# KiCad board Original.kicad_pcb (continued)
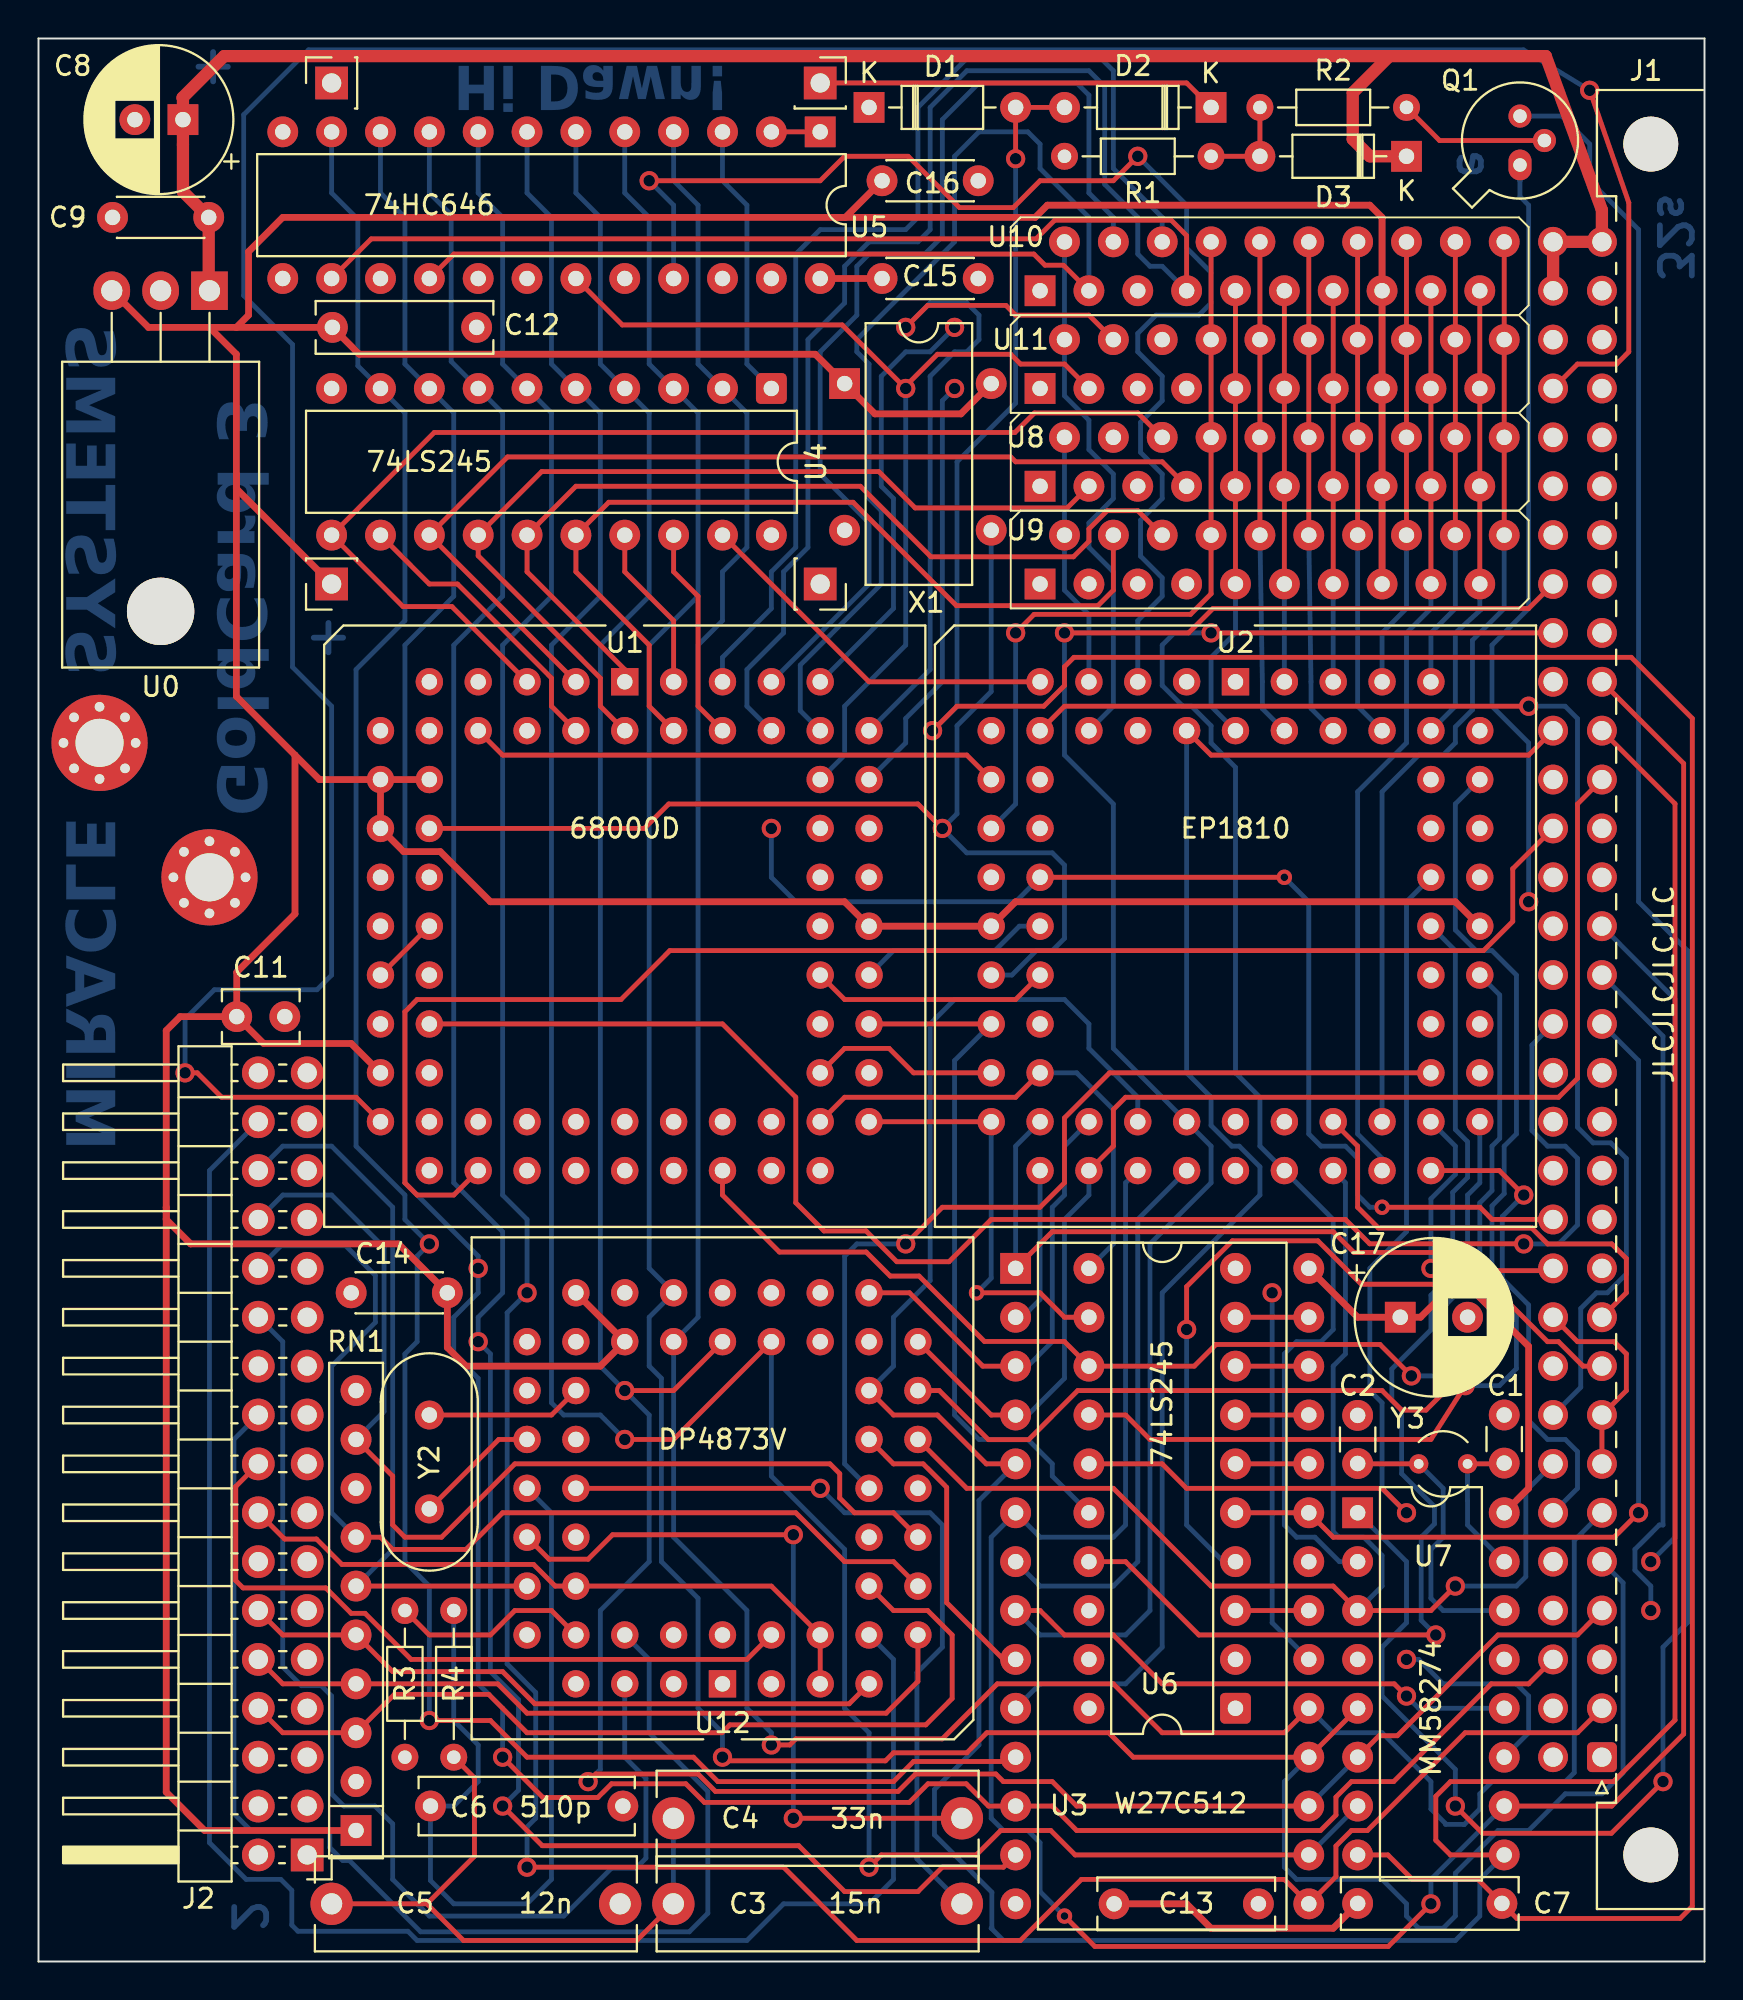
[diagram p0: board, top side]
## Nets (continued)

## Via types
v1: diameter 1, hole 0.6, Top to Bottom, 54 vias
v2: diameter 0.8, hole 0.4, Top to Bottom, 4 vias

## Routing (per net, layer and track width the routed paths; a pad name or vN(x,y) marks a point on that pad's centre or on a via; arc(x,y) is an arc through that point)
+5V: length 519.5
  Top w0.35: U5.24 C15.1 ; 10.29,77.29 10.29,83.52 8.89,84.91 ; 10.29,77.29 10.29,65.74 13.34,62.69 ; 10.29,77.29 10.29,76.53 J4.1 ; 10.29,84.91 8.89,84.91 ; 10.29,84.91 C12.1 16.68,83.52 40.39,83.52 X1.1 43.48,80.42 47.96,80.42 X1.8 ; 10.29,84.91 10.92,85.55 10.92,88.85 12.7,90.63 41.4,90.63 ; 8.89,84.91 5.72,84.91 U0.3 ; 41.4,90.63 41.95,90.63 C16.1 ; 41.4,90.63 51.82,90.63 52.45,91.26 69.22,91.26 69.85,90.63 U10.15 U11.15 U8.15 U9.15 ; U12.33 U12.32 29.21,30.94 22.22,30.94 21.26,31.91 C14.1 18.72,37.29 7.91,37.29 6.64,38.56 6.64,39.19 ; 68.58,3 67.31,1.73 60.96,1.73 59.69,3 C13.1 ; U7.16 77.47,24.59 77.47,31.96 74.78,34.65 73.03,34.65 71.85,33.48 C17.1 68.58,33.48 U3.28 ; U1.24 16.26,47.7 11.7,47.7 C11.1 ; U1.13 U1.12 ; U1.12 14.6,61.42 13.34,62.69 ; U1.12 U1.14 18.99,57.67 20.89,57.67 23.49,55.07 41.91,55.07 U1.52 U2.18 50.8,55.07 73.66,55.07 U2.52 ; 6.64,39.19 6.64,8.8 8.64,6.81 RN1.1 ; 6.64,39.19 6.64,48.37 7.37,49.1 C11.1 ; 13.34,62.69 13.34,54.43 10.31,51.4 C11.1
  In1.Cu w0.35: U6.20 53.34,14.43 50.8,14.43 ; 36.19,1.09 54.02,1.09 C13.1 ; 36.19,1.09 36.4,1.09 48.36,13.05 ; 36.19,1.09 23.92,1.09 18.21,6.81 RN1.1 ; X1.1 41.91,79.59 38.1,75.78 U4.20 ; 49.53,24.59 62.87,24.59 64.13,25.86 64.13,31.45 64.89,32.21 67.94,32.21 69.22,33.48 C17.1 ; 49.53,24.59 U12.14 U12.13 ; 49.53,24.59 48.36,23.42 48.36,13.05 ; 48.36,13.05 49.74,14.43 50.8,14.43 ; 50.8,14.43 49.74,14.43
  In2.Cu w0.35: C15.1 C16.1
+9V: length 107.1
  Top w0.25: 7.51,94.4 7.51,94.4 C8.1
  Top w0.635: J1.b31 J1.b32 J1.a32 81.28,91.01 78.36,99.01 70.23,99.01 ; 70.23,99.01 68.33,97.1 68.33,94.69 69.22,93.8 D3.1 ; 70.23,99.01 9.65,99.01 7.49,96.85 7.51,96.83 7.51,91.97 C9.1 8.85,86.86
GND: length 108.4
  Top w0.25: J1.a7 J1.a8 82.55,29.67 82.55,31.57 81.91,32.21 80.01,32.21 J1.b10
  In2.Cu w0.25: 63.5,45.8 63.5,42.37 U2.35 60.96,42.37 60.96,45.67 ; R1.1 57.15,89.99 U10.5 U11.5 U8.5 U9.5 ; 60.96,61.93 60.96,65.23 U2.1 63.5,65.23 63.5,61.93 ; 83.31,52.65 36.07,52.65 ; 34.29,39.7 34.29,45.67
/16MHZ: length 59.8
  Top w0.25: U1.15 31.5,58.88 32.77,60.15 45.72,60.15 v1(46.99,58.88)
  Bottom w0.25: X1.5 49.53,65.99 47.75,64.21 47.75,59.64 v1(46.99,58.88) 48.26,57.61 52.71,57.61 53.34,56.97 53.34,53.16 52.71,52.53 51.88,52.53 50.6,51.26 U2.20
/A0: length 80.6
  Top w0.25: U2.4 60.96,62.69 77.47,62.69 J1.b22
  Bottom w0.25: U3.10 52.07,14.43 56.52,14.43 58.42,16.33 58.42,34.75 63.5,39.83 63.5,41.29 62.43,42.37 62.03,42.37 60.96,43.44 60.96,44.91 59.69,46.18 U2.4
/A1: length 119.4
  Top w0.25: U12.17 44.45,25.86 46,25.86 47.22,24.64 47.22,18.65 50.8,15.06 ; v1(60.96,69.04) J1.b24
  In1.Cu w0.25: U7.2 67.31,22.05 50.16,22.05 49.62,21.5 49.62,16.24 50.8,15.06
  Bottom w0.25: U7.2 67.63,20.78 66.36,22.05 65.41,22.05 64.77,22.68 64.77,31.57 65.41,32.21 66.68,32.21 67.31,32.84 67.31,38.56 U2.37 63.5,42.37 63.5,44.91 62.23,46.18 62.23,62.05 60.96,63.32 60.96,64.21 59.94,65.23 59.5,65.23 58.42,66.3 58.42,68.4 59.06,69.04 v1(60.96,69.04)
/A2: length 117.3
  Top w0.25: v1(71.12,13.79) 70.49,14.43 58.42,14.43 55.88,16.97 53.34,16.97 52.07,18.24 U3.8 ; J1.b25 77.47,70.31 61.06,70.31 59.79,69.04 v1(53.34,69.04)
  Bottom w0.25: U7.12 71.75,13.16 v1(71.12,13.79) ; v1(53.34,69.04) 53.34,62.69 55.88,60.15 55.88,47.45 U2.34 60.96,42.37 60.96,40.46 57.78,37.29 57.78,18.24 56.52,16.97 52.07,16.97 U3.8
/A3: length 131.8
  In1.Cu w0.25: J1.a24 85.09,65.23 85.09,11.89 81.91,8.71 78.1,8.71 U7.11 ; v1(71.12,15.7) 69.85,16.97 58.97,16.97 56.43,19.51 53.34,19.51 52.07,20.78 U3.7
  Bottom w0.25: v1(71.12,15.7) 71.75,15.7 73.03,14.43 76.84,14.43 77.47,13.79 77.47,11.89 U7.11 ; U2.33 57.15,38.56 57.15,20.78 55.88,19.51 52.07,19.51 U3.7
/A4: length 143.6
  Top w0.25: v1(72.39,3) 70.17,0.78 54.92,0.78 v2(53.34,2.36) ; U7.10 81.79,8.08 85.53,11.82 85.53,62.25 J1.a23
  Bottom w0.25: U2.31 56.52,40.46 56.52,22.68 55.88,22.05 52.07,22.05 U3.6 49.53,22.05 49.53,7.44 50.16,6.81 51.44,6.81 52.07,6.17 52.07,3.63 v2(53.34,2.36) ; v1(72.39,3) 72.39,4.27 U7.10
/A5: length 175.2
  Top w0.25: U7.9 73.41,5.54 72.64,6.3 72.64,8.59 73.41,9.35 81.88,9.35 85.08,12.55 85.08,60.16 J1.a22 ; U3.5 49.28,25.86 46.74,28.4 44.45,28.4 U12.19
  Bottom w0.25: U12.19 44.45,30.94 44.45,33.48 46.35,35.38 46.35,48.72 47.62,49.99 53.34,49.99 54.61,48.72 54.61,47.45 57.15,44.91 U2.32 ; U3.5 48.9,23.95 48.9,11.25 46.58,8.94 46.58,6.58 49.56,3.6 49.56,1.76 49.53,1.73 50.16,1.09 73.66,1.09 74.93,2.36 74.93,4.27 U7.9
/A6: length 66.1
  Top w0.25: U12.20 49.53,28.4 U3.4 ; J1.a21 80.01,60.15 80.01,45.89 79.03,44.91 56.52,44.91 55.88,44.27 55.88,42.37 U2.29
  Bottom w0.25: U2.29 54.61,39.83 53.34,38.56 53.34,30.3 50.8,27.76
/A7: length 81.1
  Top w0.25: U3.3 49.09,30.94 45.28,34.75 U12.21
  In1.Cu w0.25: J1.a20 80.01,57.61 80.01,50.62 79.38,49.99 78.1,49.99 76.84,48.72 76.84,42.37 72.48,38.01 49.62,38.01 48.03,36.42 48.03,33.71 U3.3
  Bottom w0.25: 50.8,30.3 52.71,32.21 52.71,39.19 53.34,39.83 53.34,42.37 U2.30
/A8: length 51.3
  Top w0.25: U6.7 U3.25
  In1.Cu w0.25: J1.a19 83.82,53.8 83.82,29.03 81.91,27.13 67.31,27.13 U3.25
/A9: length 58.8
  Top w0.25: U6.6 U3.24
  In1.Cu w0.25: v1(83.82,20.78) 82.55,22.05 74.94,22.05 72.39,24.6 67.3,24.6 U3.24
  Bottom w0.25: v1(83.82,20.78) 85.09,22.05 85.09,49.99 J1.a18
/A10: length 59.4
  Top w0.25: U6.3 U3.21
  In1.Cu w0.25: 66.04,17.6 68.02,19.58 69.29,19.58 70.49,20.78 74.29,20.78 75.56,19.51 82.55,19.51 v1(83.82,18.24)
  Bottom w0.25: v1(83.82,18.24) 83.82,19.51 83,20.33 83,21.41 84.27,22.68 84.46,22.68 84.46,48.08 J1.a17
/A11: length 48.2
  Top w0.25: U6.5 U3.23 67.31,22.05 81.91,22.05 v1(83.19,23.32)
  Bottom w0.25: J1.a16 83.19,46.81 v1(83.19,23.32)
/A12: length 45.7
  In1.Cu w0.25: U3.2 52.07,34.75 56.59,34.75 59.13,37.29 73.03,37.29 77.47,41.73 77.47,44.25 78.1,44.88 79.98,44.88 J1.a15
  Bottom w0.25: 50.8,33.13 52.07,34.4 U2.27
/A13: length 35.2
  Top w0.25: U6.8 U3.26
  In1.Cu w0.25: U3.26 68.58,30.94 70.87,28.65 74.42,28.65 77.98,32.21 82.55,32.21 83.19,32.84 83.19,41.73 J1.a14
/A14: length 24.8
  Top w0.25: U6.9 U3.27
  In1.Cu w0.25: U3.27 68.11,33.48 69.38,34.75 79.38,34.75 80.01,35.38 80.01,39.83 J1.a13
/A15: length 38.2
  Top w0.25: 78.62,35.9 73.97,35.9 73.03,36.84 68.39,36.84 67.31,37.92 52.71,37.92 U3.1
  Bottom w0.25: 50.8,35.38 50.8,42.37 U2.28
/A16: length 23.6
  Top w0.25: U2.40 68.58,42.37 68.58,39.19 69.66,38.11 77.63,38.11 78.45,37.29 81.79,37.29 82.55,36.53 82.55,34.75 J1.a10
/A17: length 41.3
  Top w0.25: v1(59.69,32.84) 59.69,35.07 62.07,37.45 66.51,37.45 68.77,35.19 75.47,35.19 78.45,32.21 79.03,32.21 80.3,30.94 J1.a9
  Bottom w0.25: v1(59.69,32.84) 59.69,22.68 62.23,20.14
/AG1: length 42.5
  In1.Cu w0.25: U2.36 60.96,42.37 60.96,40.46 60.09,39.59 43.18,39.59 42.7,39.11 33.02,39.11 31.75,40.38 31.75,41.73 31.12,42.37 26.67,42.37 U1.32
/AG2: length 56.6
  In1.Cu w0.25: U2.48 73.66,47.45 70.49,47.45 68.58,45.54 68.58,40.46 66.81,38.69 44.2,38.69 43.71,38.21 28.92,38.21 27.94,39.19 U1.33
/AG3: length 32.8
  In1.Cu w0.25: U2.15 50.8,57.61 48.07,57.61 45.53,55.07 35.31,55.07 27.94,47.7 U1.34
/AG4: length 51.2
  In1.Cu w0.25: U1.35 30.48,39.83 31.65,38.66 43.21,38.66 43.69,39.14 64.72,39.14 66.04,40.46 66.04,46.18 68.58,48.72 U2.49
/AG5: length 26.1
  In1.Cu w0.25: U1.36 30.48,46.69 36.32,52.53 44.45,52.53 48.26,56.34 U2.16
/AG6: length 47.1
  In1.Cu w0.25: U2.51 65.41,51.26 58.42,44.27 58.42,40.46 58,40.05 42.65,40.05 42.16,39.56 34.55,39.56 U1.37
/AG7: length 46.7
  In1.Cu w0.25: U1.38 39.37,49.99 43.81,49.99 48.9,55.07 55.02,55.07 61.37,61.42 72.39,61.42
/AG8: length 67
  Top w0.25: U1.39 35.56,39.83 38.52,36.87 43.03,36.87 44.28,35.62 45.78,35.62 49.18,32.22 53.33,32.22 U6.13 60.09,30.94 61.21,32.06 69.74,32.06 v1(71.37,30.43)
  Bottom w0.25: U2.50 75.97,50.22 75.97,42.77 75.56,42.37 75.56,40.06 74.93,39.42 74.93,34.43 75.56,33.8 75.56,32.21 74.49,31.13 73.6,31.13 72.9,30.43 v1(71.37,30.43)
/AG9: length 110.2
  Top w0.25: v1(74.17,29.92) 72.39,27.13 57.78,27.13 56.52,28.4 U6.14
  In1.Cu w0.25: U1.40 36.83,42.37 43.69,42.37 48.77,47.45 53.34,47.45 63.5,57.61 75.69,57.61 76.2,58.12 76.2,60.15 U2.58
  Bottom w0.25: v1(74.17,29.92) 75.95,29.92 76.83,30.81 76.83,33.48 75.56,34.75 75.56,34.75 75.56,39.27 76.2,39.9 76.2,42.37 76.84,43 76.84,51.26 75.56,52.53 74.74,52.53 73.66,53.6 73.66,60.15 U2.58
/AG10: length 101.6
  Top w0.25: v1(72.64,16.97) 60.32,16.97 56.52,20.78 U6.17
  In1.Cu w0.25: U2.53 62.87,53.8 53.34,44.27 53.34,43 52.71,42.37 51.44,42.37 49.67,40.6 42.15,40.6 41.57,40.02 39.18,40.02 U1.41
  Bottom w0.25: U2.53 73.66,52.53 73.66,43.23 74.29,42.6 74.29,40.74 73.52,39.97 73.52,35.75 72.39,34.62 72.39,32.82 70.36,30.79 70.36,29.16 70.87,28.65 70.87,25.35 72.57,23.64 72.57,22.74 71.88,22.05 71.88,17.73 v1(72.64,16.97)
/AG11: length 82
  Top w0.25: U6.15 58.42,25.86 59.69,24.59 69.85,24.59 v1(71.12,23.32)
  In2.Cu w0.25: U6.15 52.83,27.64 52.83,36.91 47.37,42.37 39.37,42.37 U1.42
  Bottom w0.25: v1(71.12,23.32) 69.85,24.59 69.85,29.03 69.22,29.67 69.22,36.02 71.12,37.92 71.12,55.07 U2.55
/AG12: length 40.6
  In1.Cu w0.25: U1.43 44.96,41.1 48.77,44.91 52.27,44.91 62.43,55.07 73.66,55.07 U2.54
/AG13: length 21.9
  Top w0.25: U6.12 53.34,33.48 52.07,34.75 v2(48.77,34.75) ; U1.44 U2.26
  Bottom w0.25: U2.26 49.53,35.51 v2(48.77,34.75)
/AG14: length 25.9
  Top w0.25: U1.45 41.91,44.91 50.8,44.91 U2.25
  Bottom w0.25: U2.25 53.97,46.18 55.88,44.27 55.88,37.29 U6.11
/AG15: length 38.6
  In1.Cu w0.25: U1.46 44.75,47.75 44.75,48.67 48.38,52.3 53.75,52.3 61.59,60.15 73.66,60.15 U2.56
/AG16: length 9.9
  Top w0.25: U1.47 41.91,47.45 44.22,47.45 45.49,46.18 U2.24
/AG17: length 36.9
  Top w0.25: U1.48 U2.22
  Bottom w0.25: U2.22 47.62,46.81 47.62,28.4 48.9,27.13 51.44,27.13 52.71,25.86 52.71,25.22 U6.16
/AG18: length 40.8
  In1.Cu w0.25: U2.57 62.25,58.88 53.34,49.97 48.49,49.97 44.7,46.18 44.7,45.42 44.2,44.91 42.42,44.91 41.91,45.42 41.91,47.45 U1.49
/AG19: length 9.9
  Bottom w0.25: U1.50 44.45,52.53 49.72,52.53 51,53.8 U2.19
/AG20: length 12.5
  Top w0.25: U1.51 41.91,49.99 50.8,49.99 U2.21
/CAS0: length 13.2
  Bottom w0.25: U2.7 54.61,69.99 53.34,71.26 U9.2 U8.2
/CAS1: length 28
  Bottom w0.25: U10.2 U11.2 53.34,81.36 54.61,80.09 54.61,78.56 55.88,77.29 55.88,76.02 54.61,74.75 54.61,73.48 55.88,72.21 55.88,65.23 U2.8
/CSROM: length 37.3
  In1.Cu w0.25: v1(72.39,36.02) 69.93,36.02 68.66,34.75 v1(64.13,34.75)
  Bottom w0.25: v1(72.39,36.02) 72.39,39.63 73.66,40.9 73.66,42.37 U2.45 ; v1(64.13,34.75) 64.13,17.6 U3.20
/CSRTC: length 62.4
  In1.Cu w0.25: U2.38 64.77,46.81 67.94,49.99 76.2,49.99 77.47,51.26 v1(77.47,55.07)
  Bottom w0.25: 77.02,92.53 77.02,91.71 77.47,91.26 77.47,70.31 75.56,68.4 75.56,65.23 77.47,63.32 v1(77.47,55.07) ; 77.02,92.53 Q1.1 77.02,92.53
/D0: length 177.4
  Top w0.25: 50.58,10.39 45.5,10.39 44.45,9.35 35.32,9.35 34.05,10.62 25.4,10.62 23.5,12.52 v1(20.32,12.52)
  In1.Cu w0.25: J1.b4 77.47,16.97 75.88,16.97 70.8,11.89 57.31,11.89 56.04,10.62 U3.11 ; U12.22 41.91,33.48 41.91,36.02 41.28,36.65 24.77,36.65 24.13,37.29 v1(20.32,37.29)
  Bottom w0.25: U5.11 15.24,91.9 16.6,90.53 16.6,82.91 U4.9 19.05,80.47 19.05,69.67 16.51,67.13 16.51,42.37 19.05,39.83 19.05,38.56 v1(20.32,37.29) 19.69,36.65 19.69,32.21 19.05,31.57 19.05,20.78 20.32,19.51 v1(20.32,12.52)
/D1: length 172.2
  Top w0.25: v1(24.13,10.62) 26.22,8.52 29.08,8.52 29.79,9.23 33.66,9.23 34.62,8.27 45.28,8.27 46.24,9.23 48.23,9.23 49.39,8.08 U3.12 52.71,8.08 53.97,6.81 66.65,6.81 67.45,7.61 67.45,8.54 68.26,9.35 70.45,9.35 75.53,14.43 77.47,14.43 J1.b3
  In1.Cu w0.25: U12.23 39.37,33.48 24.13,33.48 22.86,34.75 v1(22.86,36.02)
  Bottom w0.25: U5.10 17.78,91.9 19.05,90.63 19.05,83.01 U4.8 21.59,80.47 21.59,70.94 19.05,68.4 19.05,40.46 22.86,36.65 v1(22.86,36.02) 22.86,34.75 21.59,33.48 21.59,31.57 22.86,30.3 22.86,14.43 24.13,13.16 v1(24.13,10.62)
/D2: length 174.9
  Top w0.25: U3.13 50.16,4.9 46.99,4.9 45.72,3.63 41.91,3.63 39.53,6.02 26.19,6.02 v1(24.13,8.08)
  In1.Cu w0.25: U12.24 39.37,30.94 24.13,30.94 v1(22.86,32.21) ; U3.13 59.62,5.54 60.89,4.27 71.12,4.27 72.39,5.54 72.39,9.35 74.93,11.89 77.47,11.89 J1.b2
  Bottom w0.25: U5.9 20.32,91.9 21.46,90.76 21.46,83.14 U4.7 24.13,80.47 24.13,70.94 21.59,68.4 21.59,40.46 24.13,37.92 24.13,34.75 22.86,33.48 v1(22.86,32.21) 23.5,31.57 23.5,15.06 24.96,13.6 24.96,8.9 v1(24.13,8.08)
/D3: length 172.6
  Top w0.25: v1(25.4,4.9) 38.74,4.9 42.54,1.09 51.04,1.09 54.22,4.27 64.77,4.27 U3.15 67.45,4.41 67.45,6 68.26,6.81 69.09,6.81 74.17,11.89 80.01,11.89 J1.a2
  In1.Cu w0.25: U12.25 37.04,35.81 26.46,35.81 v1(25.4,34.75)
  Bottom w0.25: v1(25.4,4.9) 25.4,6.99 25.85,7.44 25.85,13.98 24.36,15.46 24.36,33.71 v1(25.4,34.75) 25.4,38.56 24.13,39.83 24.13,68.4 26.67,70.94 26.67,80.47 U4.6 24.13,83.01 24.13,90.63 22.86,91.9 U5.8
/D4: length 156
  Top w0.25: v1(30.48,27.13) 33.02,27.13 U12.26 ; U3.16 53.9,5.54 52.63,6.81 50.02,6.81 48.75,5.54 43.81,5.54 v1(43.18,4.9)
  In1.Cu w0.25: U7.7 74.93,14.43 80.01,14.43 J1.a3
  Bottom w0.25: U12.26 38.1,25.22 41.91,21.41 41.91,13.16 43.18,11.89 v1(43.18,4.9) ; U7.7 U3.16 ; U5.7 25.4,91.9 26.67,90.63 26.67,83.01 U4.5 29.21,80.47 29.21,70.94 26.67,68.4 26.67,29.03 27.31,28.4 29.21,28.4 v1(30.48,27.13)
/D5: length 155.4
  Top w0.25: U12.28 33.02,29.67 v1(30.48,29.67) ; U3.17 53.97,8.08 52.71,9.35 50.16,9.35 49.77,9.74 45.59,9.74 44.69,8.84 35.19,8.84 34.29,9.74 28.97,9.74 v1(28.57,9.35) ; J1.a4 80.01,16.97 75.88,16.97 70.64,11.73 69.69,11.73 U7.6
  Bottom w0.25: U7.6 U3.17 ; U5.6 27.94,91.9 29.21,90.63 29.21,83.01 U4.4 31.75,80.47 31.75,70.94 29.21,68.4 29.21,30.94 v1(30.48,29.67) 31.75,28.4 31.75,20.78 29.21,18.24 29.21,9.98 v1(28.57,9.35)
/D6: length 166.6
  Top w0.25: v1(35.56,10.62) 35.75,10.43 44.03,10.43 44.45,10.84 48.26,10.84 49.3,11.89 55.64,11.89 56.91,10.62 U3.18 U7.5
  Bottom w0.25: v1(35.56,10.62) 35.56,11.89 34.29,13.16 34.29,18.87 32.38,20.78 32.38,30.3 31.75,30.94 31.75,33.48 U12.29 31.75,36.02 31.75,68.4 34.29,70.94 34.29,80.47 U4.3 31.75,83.01 31.75,90.63 30.48,91.9 U5.5 ; J1.a5 82.38,19.68 82.38,9.81 81.28,8.71 79.38,8.71 77.47,6.81 75.88,6.81 73.66,4.59 73.66,2.36 73.03,1.73 71.75,1.73 71.12,2.36 71.12,3 69.85,4.27 65.41,4.27 64.77,4.9 64.77,9.35 U3.18
/D7: length 156.3
  Top w0.25: U3.19 64.77,11.89 58.42,11.89 55.88,14.43 49.85,14.43 46.99,11.57 39.37,11.57 39.05,11.25 v1(38.1,11.25)
  In1.Cu w0.25: U7.4 U3.19
  Bottom w0.25: v1(38.1,11.25) 38.1,11.89 36.83,13.16 36.83,18.24 33.02,22.05 U12.30 34.29,33.48 34.29,68.4 35.56,69.67 35.56,72.21 36.83,73.48 36.83,80.47 U4.2 34.29,83.01 34.29,91.26 33.02,92.53 U5.4 ; J1.a6 79.84,21.88 79.84,9.81 79.38,9.35 75.56,9.35 74.93,8.71 74.93,7.93 74.12,7.11 74.1,7.13 73.15,7.13 73.15,7.16 72.39,7.93 72.39,9.35 69.85,11.89 67.31,11.89 U3.19
/DG0: length 59.7
  Top w0.25: U1.5 21.49,70.4 18.95,70.4 U4.11 20.57,79.45 50.76,79.45 51.78,80.47 57.15,80.47 U8.6
/DG1: length 55.4
  Top w0.25: U1.4 26.67,65.23 26.67,66.69 21.79,71.58 20.32,71.58 U4.12
  In2.Cu w0.25: U4.12 21.59,77.93 54.61,77.93 U8.4
/DG2: length 52.5
  Top w0.25: U1.3 U4.13 24.38,78.18 50.55,78.18 50.8,77.93 58.42,77.93 U8.7
/DG3: length 47.7
  Top w0.25: U8.3 53.48,75.53 45.58,75.53 43.69,77.42 26.16,77.42 U4.14 22.86,73.04 29.21,66.69 29.21,65.23 U1.2
/DG4: length 47.2
  Top w0.25: U1.1 30.48,67.13 25.4,72.21 U4.15 27.94,76.66 42.73,76.66 46.4,72.99 53.81,72.99 54.61,73.79 54.61,74.44 55.56,75.39 57.15,75.39 U9.6
/DG5: length 46.3
  Top w0.25: U1.68 31.75,65.23 31.75,68.4 27.94,72.21 U4.16 29.65,75.83 42.35,75.83 47.72,70.45 55.08,70.45 55.88,71.25 U9.4
/DG6: length 40.2
  Top w0.25: U4.17 30.48,72.21 33.02,69.67 U1.67
  In1.Cu w0.25: U4.17 32.77,71.83 37.85,71.83 39.62,70.05 58.17,70.05 U9.7
/DG7: length 33.9
  Top w0.25: U4.18 33.02,72.21 34.29,70.94 34.29,65.23 U1.66
  In1.Cu w0.25: U4.18 34.29,72.85 53.34,72.85 U9.3
/DG8: length 94.2
  In1.Cu w0.25: U1.65 34.04,68.02 28.45,68.02 26.8,69.67 22.73,69.67 19.05,73.36 19.05,75.13 12.7,81.48 U5.13
  Bottom w0.25: U1.65 35.56,67.77 38.1,70.31 38.1,72.21 39.37,73.48 39.37,88.72 40.64,89.99 45.09,89.99 45.72,90.63 45.72,96.34 48.26,98.88 55.25,98.88 55.88,98.25 55.88,93.17 56.63,92.42 58.42,90.63 U10.6
/DG9: length 110.2
  Top w0.25: U10.7 59.69,89.68 58.89,90.48 52.83,90.48 51.86,89.51 17.3,89.51 U5.14
  Bottom w0.25: U10.7 58.42,88.09 57.78,88.09 57.15,88.72 57.15,90.63 55.43,92.35 55.43,97.43 54.61,98.25 48.26,98.25 46.35,96.34 46.35,89.99 45.72,89.36 43.18,89.36 41.91,88.09 41.91,86.18 40,84.28 40,73.48 38.74,72.21 38.74,69.04 36.83,67.13 36.83,65.23 U1.64
/DG10: length 88.5
  In1.Cu w0.25: U5.15 19.05,86.18 19.05,77.93 21.59,75.39 21.59,73.36 24.38,70.56 27.94,70.56 29.72,68.78 35.81,68.78 U1.63
  Bottom w0.25: U10.4 55.88,90.63 54.61,91.9 54.61,96.98 53.97,97.61 48.9,97.61 46.99,95.71 46.99,89.64 46.08,88.72 43.18,88.72 42.54,88.09 42.54,85.55 40.64,83.64 40.64,77.29 43.18,74.75 43.18,71.58 U1.63
/DG11: length 84.2
  Top w0.25: U10.3 53.28,88.14 52.32,88.14 51.75,88.72 21.59,88.72 U5.16
  Bottom w0.25: U10.3 54.61,90.63 52.07,93.17 52.07,94.44 51.44,95.07 48.9,95.07 47.62,93.8 47.62,89.36 42.54,84.28 42.54,83.64 43.18,83.01 43.18,76.02 43.81,75.39 43.81,71.58 39.6,67.36 39.6,64.99 U1.62
/DG12: length 69.2
  In1.Cu w0.25: U5.17 21.59,86.18 21.59,77.93 24.13,75.39 24.13,73.36 25.91,71.58 28.7,71.58 30.48,69.8 37.34,69.8 U1.61 ; v1(47.62,84.91) 48.64,84.91 49.28,85.55 57.15,85.55 U11.6
  Bottom w0.25: U1.61 44.45,70.31 44.45,76.02 43.81,76.66 43.81,82.37 45.09,83.64 46.35,83.64 v1(47.62,84.91)
/DG13: length 61.7
  Top w0.25: U11.4 54.61,85.55 50.8,85.55 50.29,86.06 46.23,86.06 v1(45.09,84.91)
  In1.Cu w0.25: v1(45.09,84.91) 27.94,84.91 U5.18
  Bottom w0.25: U1.60 46.35,67.13 46.35,82.37 47.62,83.64 48.26,83.64 48.9,84.28 48.9,85.55 48.26,86.18 46.35,86.18 v1(45.09,84.91)
/DG14: length 52.7
  Top w0.25: U5.19 30.35,85.04 41.78,85.04 v1(45.09,81.74) 45.09,81.86 46.74,83.52 50.55,83.52 51.05,83.01 53.34,83.01 U11.3
  Bottom w0.25: U1.59 41.91,62.69 41.91,65.23 45.09,68.4 v1(45.09,81.74)
/DG15: length 56.8
  In1.Cu w0.25: U11.7 58.42,83.01 51.31,83.01 50.8,83.52 48.51,83.52 47.62,82.63 v1(47.62,81.74) 46.3,83.06 46.3,84.86 45.19,85.97 31.96,85.97 U5.20
  Bottom w0.25: v1(47.62,81.74) 46.99,81.1 46.99,66.5 45.09,64.59 45.09,63.32 U1.58
/DS: length 25
  Top w0.25: U2.43 75.95,41.1 v1(77.22,39.83)
  Bottom w0.25: J1.b6 80.01,24.59 80.01,26.49 79.38,27.13 78.45,27.13 77.47,28.11 77.47,34.11 76.1,35.48 76.1,38.71 v1(77.22,39.83)
/DS0: length 38.5
  Top w0.25: J2.10 12.7,14.43 RN1.4 23.88,14.43 25.4,12.9 44.07,12.9 45.72,14.55 U12.8
/DS1: length 34.2
  Top w0.25: U12.7 42.14,13.39 25.8,13.39 24.13,15.06 18.41,15.06 RN1.5 12.7,16.97 J2.12
/DS2: length 44.2
  In1.Cu w0.25: U12.1 33.98,12.85 22.54,12.85 17.29,18.09 16.02,18.09 14.7,19.41 12.79,19.41 J2.14 9.53,22.68 9.53,28.78 10.41,29.67 RN1.10
/DTA: length 52.6
  In1.Cu w0.25: U1.10 17.78,67.77 18.8,68.78 25.65,68.78 26.67,67.77 26.67,65.86 27.31,65.23 46.63,65.23 49.17,62.69 57.91,62.69 58.42,63.2 58.42,65.23 U2.3
/DTACK: length 68.4
  Top w0.25: U2.11 53.34,65.23 v1(77.47,65.23)
  Bottom w0.25: J1.b8 80.18,29.84 80.18,33.93 80.99,34.75 81.57,34.75 82.55,35.73 82.55,41.72 81.74,42.54 80.82,42.54 80.01,43.35 80.01,64.58 79.37,65.23 v1(77.47,65.23)
/FC0: length 65.8
  In2.Cu w0.25: J1.b21 77.47,60.15 60.96,60.15 55.88,55.07 29.97,55.07 22.86,47.96 U1.30
/FC1: length 78.7
  Top w0.25: U1.29 21.59,39.83 19.69,39.83 19.05,40.46 19.05,49.35 19.69,49.99 30.28,49.99 32.82,52.53 75.13,52.53 76.64,54.04 76.64,56.78 J1.b20
/FDC_DIR: length 36.6
  Top w0.25: J2.18 10.25,24.68 10.25,19.79 10.64,19.41 14.94,19.41 16.26,18.09 16.98,18.09 19.37,15.7 36.83,15.7 U12.4
/FDC_HD: length 91.8
  Bottom w0.25: J2.32 8.89,41.1 8.89,6.17 10.79,4.27 12.6,4.27 13.17,3.7 13.17,1.89 13.49,1.57 19.2,1.57 19.68,1.09 36.83,1.09 38.74,3 43.18,3 44.45,4.27 44.45,15.7 U12.9
/FDC_IP: length 47.7
  Top w0.25: J2.8 12.7,11.89 RN1.3 18.5,13.88 23.41,13.88 25.4,11.89 35.53,11.89 35.94,12.3 46.13,12.3 47.5,13.67 47.5,16.97 46.23,18.24 44.45,18.24 U12.11
/FDC_RD: length 38.2
  Top w0.25: RN1.6 U12.44
  Bottom w0.25: RN1.6 18.41,21.41 18.41,39.19 15.24,42.37 12.7,42.37 J2.30
/FDC_STEP: length 65.5
  Bottom w0.25: J2.20 10.16,27.13 10.16,7.69 11.04,6.81 15.05,6.81 15.15,6.71 15.15,5.92 15.82,5.25 16.17,5.25 19.87,1.54 33.83,1.54 34.8,2.51 34.8,8.84 31.75,11.89 31.75,15.7 U12.50
/FDC_T0: length 54.1
  Top w0.25: U12.10 44.45,20.78 41.91,20.78 39.37,23.32 24.13,23.32 22.22,21.41 18.41,21.41 17.78,22.05 RN1.7
  Bottom w0.25: RN1.7 15.24,23.32 15.24,30.94 17.52,33.21 17.52,35.65 15.97,37.19 12.6,37.19 J2.26
/FDC_WD: length 36.7
  In1.Cu w0.25: U12.3 36.83,15.7 36.83,18.24 29.21,25.86 24.77,25.86 23.5,27.13 23.5,28.4 19.78,32.12 12.61,32.12 J2.22
/FDC_WG: length 58.4
  Bottom w0.25: J2.24 12.7,32.21 12.7,15.31 13.67,14.33 14.7,14.33 15.24,13.79 15.24,8.71 15.88,8.08 17.49,8.08 18.41,7.15 18.41,4.27 20.32,2.36 27.31,2.36 29.79,4.85 31.06,4.85 31.58,5.37 31.58,9.52 30.48,10.62 U12.49
/FDC_WPRT: length 55.5
  Top w0.25: RN1.9 18.41,25.22 18.41,22.68 19.05,22.05 20.96,22.05 24.77,25.86 41.15,25.86 41.66,25.35 41.66,24.08 42.42,23.32 44.45,23.32 U12.12
  Bottom w0.25: RN1.9 17.97,28.58 17.97,37.1 15.24,39.83 12.7,39.83 J2.28
/FDCON_CS: length 45.1
  Top w0.25: v1(73.15,31.95) 73.15,29.67 72.14,28.65 70.87,28.65 69.85,29.67 54.03,29.67 51.48,27.12 49.38,27.12 46.83,29.67 U12.18
  Bottom w0.25: U2.44 74.93,40.46 74.3,39.83 74.3,35.26 73.15,34.11 v1(73.15,31.95)
/IPL0: length 103.6
  In1.Cu w0.25: U1.27 19.05,42.37 19.05,67.26 19.75,67.96 23.3,67.96 24.13,67.13 24.13,63.32 24.77,62.69 46.36,62.69 48.9,60.15 58.17,60.15 60.71,62.69 72.59,62.69 73.66,63.76 73.66,65.23 77.47,69.04 77.47,75.39 J1.b27
/IPL1: length 159.8
  Top w0.25: U1.26 16.51,44.91 9.53,44.91 8.25,46.18 v1(7.62,46.18) ; J1.b29 80.01,83.01 82.04,83.01 82.68,83.64 82.68,91.39 v1(80.65,97.23)
  Bottom w0.25: v1(7.62,46.18) 7.62,48.97 9.14,50.5 14.48,50.5 15.24,51.26 15.24,65.23 13.21,67.26 13.21,84.02 10.67,86.56 10.67,95.96 14.04,99.33 77.2,99.33 v1(80.65,97.23)
/LDS: length 27.7
  Top w0.25: U2.12 48.26,62.69 24.13,62.69 U1.8
/MA0: length 20.3
  Top w0.25: U9.11 U8.11 U11.11 U10.11
  Bottom w0.25: U9.11 U2.67
/MA1: length 25.9
  Top w0.25: U9.12 U8.12 U11.12 U10.12
  Bottom w0.25: U9.12 66.16,66.5 66.16,65.11 U2.66
/MA2: length 20.3
  Top w0.25: U10.13 U11.13 U8.13 U9.13
  Bottom w0.25: U9.13 U2.65
/MA3: length 25.9
  Top w0.25: U9.14 U8.14 U11.14 U10.14
  Bottom w0.25: U9.14 68.58,65.23 U2.64
/MA4: length 23.4
  Top w0.25: U10.16 U11.16 U8.16 U9.16
  Bottom w0.25: U2.63 69.85,69.04 71.12,70.31 U9.16
/MA5: length 47.8
  Top w0.25: U10.17 U11.17 U8.17 U9.17
  Bottom w0.25: U2.41 69.85,41.73 68.58,43 68.58,60.78 71.12,63.32 71.12,69.04 72.39,70.31 U9.17
/MA6: length 23.4
  Top w0.25: U9.18 U8.18 U11.18 U10.18
  Bottom w0.25: U2.61 72.39,69.04 73.66,70.31 U9.18
/MA7: length 24
  Top w0.25: U9.19 U8.19 U11.19 U10.19
  Bottom w0.25: U2.62 73.66,65.23 73.66,69.04 74.99,70.25 74.93,70.31 U9.19
/MA8: length 49.1
  Top w0.25: U10.20 U11.20 U8.20 U9.20
  Bottom w0.25: U2.42 69.85,60.78 71.75,62.69 73.03,62.69 73.66,63.32 73.66,64.15 74.55,65.04 74.55,68.66 76.2,70.31 U9.20
/MA9: length 25.9
  Top w0.25: U10.10 U11.10 U8.10 U9.10
  Bottom w0.25: U2.68 63.63,65.1 63.63,66.5 U9.10
/MOTOR_ON: length 34.4
  Top w0.25: U12.5 U12.6 38.1,19.51 U12.45 26.87,19.51 25.74,20.63 15.78,20.63 14.46,21.95 12.79,21.95 J2.16
/RAS: length 23.9
  Top w0.25: U10.9 U11.9 U8.9 U9.9
  Bottom w0.25: U2.2 60.96,65.23 60.96,67.77 62.23,69.04 U9.9
/RDH: length 68.4
  Top w0.25: v1(31.75,92.53) 40.64,92.53 41.91,93.8 45.21,93.8 47.88,91.14 50.67,91.14 52.07,92.53 55.88,92.53 v1(57.15,93.8)
  Bottom w0.25: U2.5 57.15,69.67 58.42,70.94 58.42,71.9 57.29,73.02 57.29,74.9 58.42,76.02 58.42,77.29 57.29,78.42 57.29,79.98 58.42,81.1 58.42,82.37 57.15,83.64 57.15,84.6 58.1,85.55 60.32,85.55 60.96,86.18 60.96,87.77 59.69,89.04 59.69,91.26 v1(57.15,93.8) ; U5.21 33.02,91.26 v1(31.75,92.53)
/RDL: length 19.7
  Top w0.25: U4.19 43.18,66.5 U2.9
/RDW: length 68.2
  Top w0.25: U12.16 48.26,24.59 55.88,24.59 60.96,19.51 67.31,19.51 U7.3 72.39,18.24 v1(73.66,19.51)
  Bottom w0.25: U7.3 69.85,19.51 69.85,21.1 68.9,22.05 67.6,22.05 67.31,22.34 67.31,30.94 67.94,31.57 67.94,40.46 U2.39 ; J1.b7 77.32,24.44 77.32,20 76.84,19.51 v1(73.66,19.51)
/RESET: length 83.2
  Top w0.25: U1.20 U1.19 ; U2.17 v2(64.77,56.34) ; v2(69.85,39.19) 74.94,39.19 75.56,38.56 78.74,38.56
  In1.Cu w0.25: v1(38.1,58.88) 25.4,58.88 U1.19
  Bottom w0.25: v2(69.85,39.19) 69.22,39.19 68.58,39.83 68.58,41.73 67.94,42.37 66.68,42.37 66.04,43 66.04,55.07 v2(64.77,56.34) ; v1(38.1,58.88) 38.1,56.34 39.37,55.07 50.8,55.07 U2.17
/RESFDC: length 49
  Top w0.25: U2.47 55.68,46.18 53.34,43.83 53.34,40.46 52.07,39.19 46.99,39.19 v1(45.09,37.29)
  Bottom w0.25: v1(45.09,37.29) 42.54,37.29 41.91,36.65 41.91,25.86 U12.15
/RW: length 120.5
  Top w0.25: v1(50.8,69.04) 51.76,70 59.89,70 60.96,71.07 U9.8 U8.8 U11.8 U10.8
  In1.Cu w0.25: U10.8 58.42,91.9 58.42,95.07 54.7,98.79 39.28,98.79 U5.3 ; U2.14 48.51,58.88 47.24,60.15 39.37,60.15 38.61,60.91 24.13,60.91 21.59,63.45 21.59,65.23 U1.9
  Bottom w0.25: U4.1 36.83,83.01 36.83,91.26 35.56,92.53 U5.3 ; v1(50.8,69.04) 50.8,60.15 U2.14
/UDS: length 27.7
  In2.Cu w0.25: U2.10 48.26,65.23 24.13,65.23 U1.7
/VPA: length 82.3
  Top w0.25: U1.23 35.56,48.72 39.37,44.91 39.37,39.43 40.84,37.96 43.02,37.96 44.62,36.36 47.34,36.36 49.53,38.56 67.94,38.56 69.21,37.29 77.21,37.29 v1(77.22,37.29)
  Bottom w0.25: v1(77.22,37.29) 79.03,37.29 80.01,38.27 80.01,41.73 79.38,42.37 78.45,42.37 77.64,43.18 77.64,47.62 J1.b16
/VSYNC: length 64.7
  In2.Cu w0.25: J1.b15 77.47,47.45 31.12,47.45 29.21,45.54 29.21,33.48 U12.35
/WRH: length 72.5
  Top w0.25: U5.2 U5.1
  In1.Cu w0.25: U5.1 35.69,90.12 25.4,90.12 24.13,88.85 24.13,80.47 29.21,75.39 29.21,73.1 31.5,70.82 37.59,70.82 40.39,68.02 55.37,68.02 55.88,67.51 55.88,65.23 U2.6
Net-(C3-Pad2): length 32.9
  Top w0.25: C3.2 31.1,1.09 22.1,1.09 20.19,3 ; R4.2 22.66,9.54 22.66,5.47 20.19,3 ; 20.19,3 C5.1
  Bottom w0.25: C3.2 C4.2
Net-(D1-A): length 160.4
  Top w0.25: U7.8 70.15,5.54 71.42,4.27 74.83,4.27 C7.2 76.86,2.24 85.34,2.24 85.98,2.87 85.98,64.59 82.8,67.77 53.83,67.77 53.34,67.28 53.34,66.3 52.27,65.23 47.75,65.23 v1(46.48,63.96) ; D2.2 D1.2 v1(50.8,93.68)
  Bottom w0.25: v1(46.48,63.96) 47.75,65.23 47.75,77.93 50.8,80.98 v1(50.8,93.68)
Net-(D2-K): length 20.8
  Top w0.25: J3.1 59.69,97.61 D2.1
Net-(D3-A): length 5.1
  Top w0.25: R2.1 D3.2 R1.2
Net-(Q1-B): length 7.9
  Top w0.25: R2.2 72.84,94.62 Q1.2
Net-(Q1-C): length 122.8
  Top w0.25: v1(84.46,9.35) 81.77,6.66 75.07,6.66 v1(73.66,8.08)
  Bottom w0.25: v1(73.66,8.08) 73.66,9.98 69.85,13.79 69.85,16.33 71.12,17.6 71.12,20.78 U7.1 ; v1(84.46,9.35) 84.46,16.33 85.72,17.6 85.72,52.53 83.19,55.07 83.19,89.99 80.65,92.53 80.65,94.44 79.19,95.89 Q1.3
Net-(U7-XTAL_IN): length 8.6
  Top w0.25: Y3.2 76.16,25.86
  Bottom w0.25: Y3.2 74.29,25.04 74.29,25.04 ; U7.15 74.29,22.68 74.29,23.95 74.29,23.96 74.29,25.04 ; 74.29,25.04 74.29,25.86
Net-(U7-XTAL_OUT): length 15
  Top w0.25: Y3.1 68.6,25.86
  Bottom w0.25: U7.14 73.03,18.24 72.39,18.87 72.39,21.41 73.03,22.05 73.03,24.59 Y3.1
Net-(U12-FE25): length 38.3
  Top w0.25: C4.1 v1(39.24,7.44) ; U12.42 26.54,20.9 28.57,20.9 29.84,22.17 v1(39.24,22.17)
  Bottom w0.25: v1(39.24,7.44) v1(39.24,22.17)
Net-(U12-FE50): length 41
  Top w0.25: v1(40.64,24.59) U12.41
  Bottom w0.25: v1(40.64,24.59) 41.91,23.32 46.35,23.32 46.99,22.68 46.99,16.33 45.67,15.01 45.67,5.33 C3.1
Net-(U12-FILT): length 44.5
  Bottom w0.25: R4.1 21.59,12.52 22.86,11.25 22.86,9.35 21.59,8.08 C6.1 20.38,4.21 21.59,3 25.4,3 26.67,4.27 26.67,23.32 U12.40
Net-(U12-OSC1): length 6.6
  Top w0.25: U12.38 23.93,27.13 Y2.2
Net-(U12-OSC2/CLK): length 8.1
  Top w0.25: Y2.1 26.67,28.4 U12.37
Net-(U12-SETCU): length 10.5
  Top w0.25: U12.48 26.67,18.24 24.77,18.24 23.5,16.97 20.32,16.97 R3.1

## Copper pours and planes (outline as drawn; the poured copper is in the pictures)
GND on In2.Cu: 0.1,99.82 86.51,99.82 86.51,0.1 0.1,0.1

## Text on the board
Bottom: 2 | e | 32s | + | Hi Dawn! | MIRACLE      SYSTEMS | GoldCard 3
B.Mask: + | MIRACLE      SYSTEMS | GoldCard 3
B.Silkscreen: PCB by A.Alea 2024 / Licensed under Cern OHL-S / https://ohwr.org/cern_ohl_s_v2.txt
User.Drawings: Limit for card without conector inside QL case | Limit for card with conector inside QL case
F.Silkscreen: JLCJLCJLCJLC
